# Altium PCB brew_cad.PcbDoc (continued)
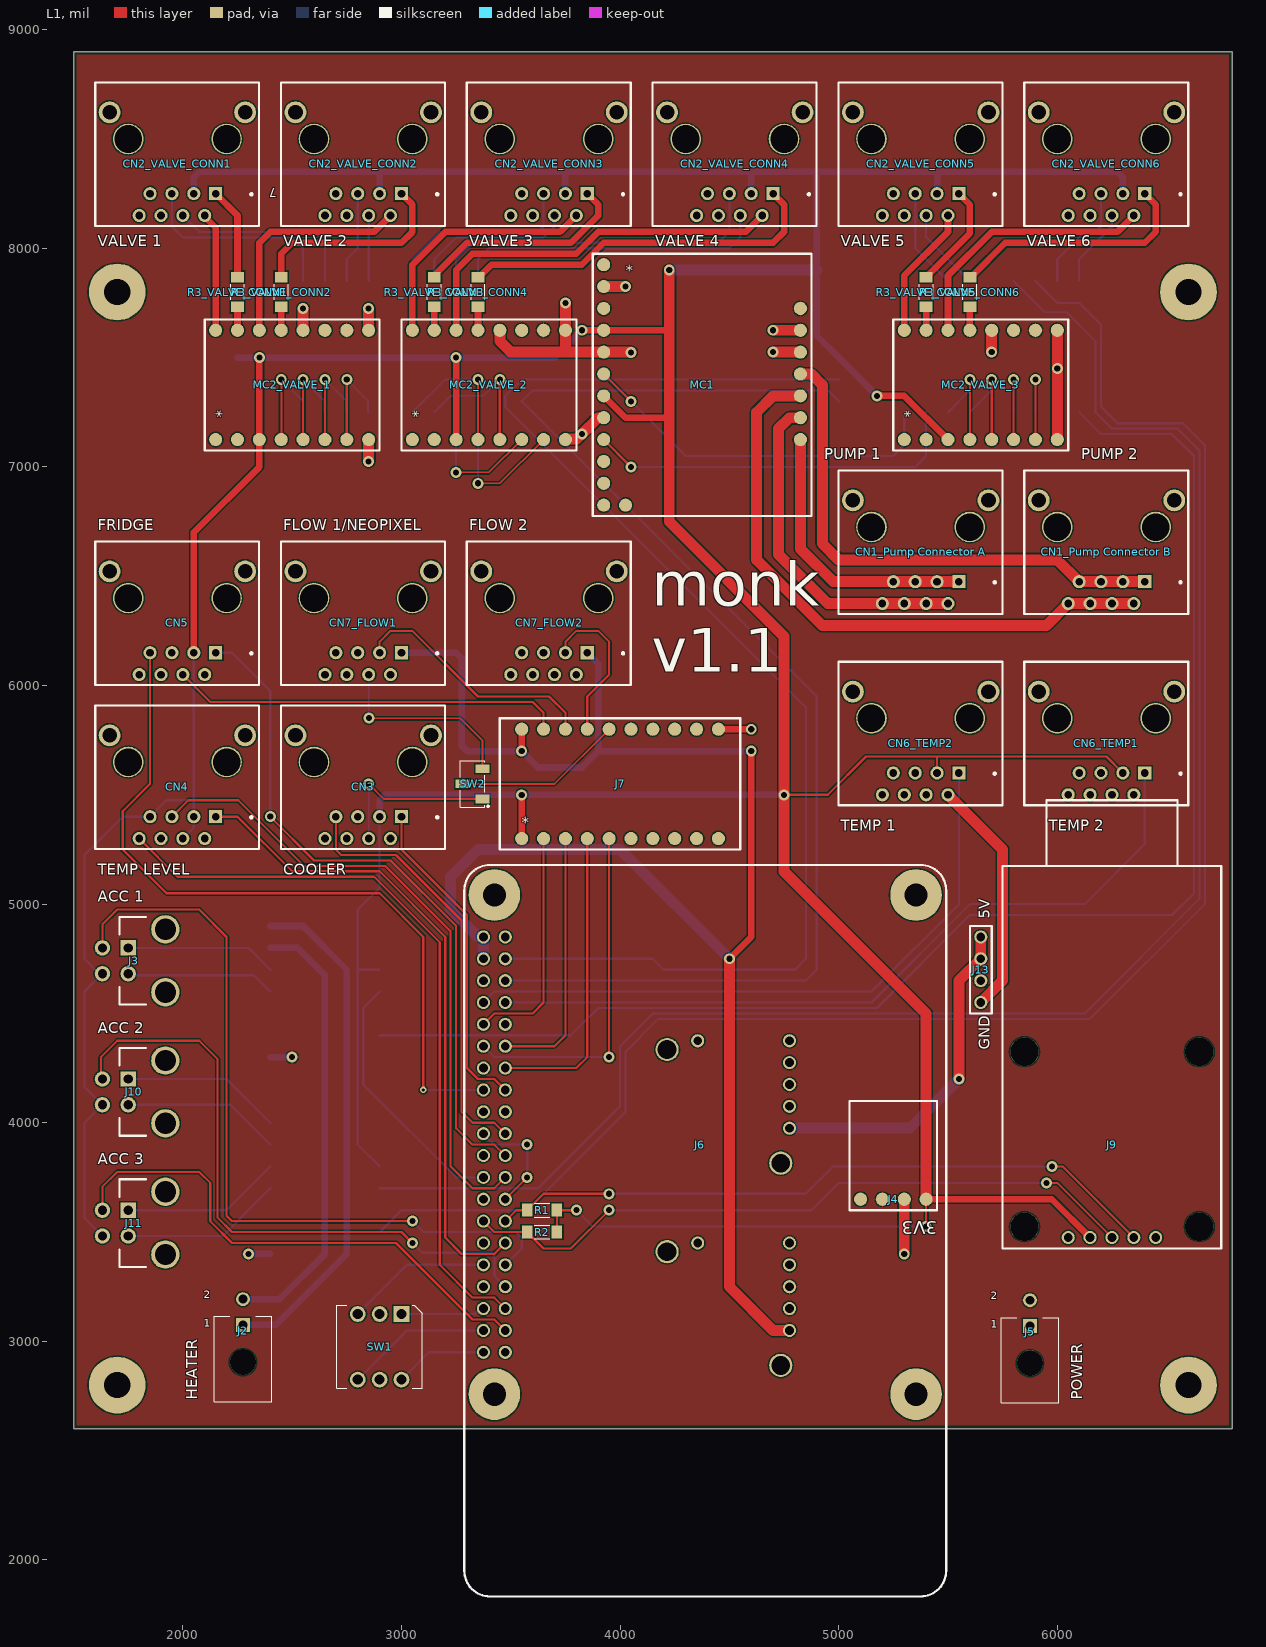
[diagram p0: L1 view]
## Footprints (in the part's own frame and the unit in brackets; to place one, negate y for a bottom-side part, rotate by r counter-clockwise, add the part's x,y. Pads: shape width x height; smd on the part's side, far side on the other; paste and mask are expansions set on the pad)
1x4_PIN [mil]
  round 60 hole 40: 1(0,0) 2(0,-100) 3(0,-200) 4(0,-300)
  silkscreen extent -50,-350 50,50
"A4990 Dual Motor Driver Carrier" [mil]
  round 60 smd: 1(50,750) 2(50,650) 3(50,550) 4(50,450) 5(50,350) 6(50,250) 7(50,150) 8(50,50) 9(550,50) 10(550,150) 11(550,250) 12(550,350) 13(550,450) 14(550,550) 15(550,650) 16(550,750)
  silkscreen extent 0,0 600,800, body extent 0,0 600,800, height 111
"Differential I2C Breakout - PCA9615" [mil]
  round 60 hole 40: 1(50,700) 2(50,600) 3(50,500) 4(50,400) 5(50,300)
  round 130 hole 130 unplated: MH1(100,900) MH1(100,100) MH1(900,100) MH1(900,900)
  silkscreen extent 0,0 2050,1000
MOLEX_430450202 [mm]
  rect 1.6x1.6 hole 1.02: 1(0,0)
  round 1.6 hole 1.02: 2(0,3)
  round 3 hole 3 unplated: ""(0,-4.32)
  silkscreen extent -3.32,-8.92 3.32,0.99, body extent -3.58,-8.92 3.57,3.32, height 8.76
MOLEX_MICROFIT_DOUBLE_ROW_RA_TH_4POS_43045-0422 [mil] "CONN HEADER 4POS 3MM R/A GOLD"
  round 130 hole 97: 0(-143.7,-170.08) 0(143.7,-170.08)
  rect 70x70 hole 42: 1(59.06,0)
  round 70 hole 42: 2(-59.06,0) 3(59.06,118.11) 4(-59.06,118.11)
  silkscreen extent -201,-81 201,39, body extent -200,-356 200,126, height 348
"Pololu 3.3V, 500mA Step-Down Voltage Regulator D24V5F3 - duplicate" [mil]
  round 60 smd: 1(50,450) 2(150,450) 3(250,450) 4(350,450)
  silkscreen extent 0,0 400,500, body extent 0,0 400,500, height 111
"Pololu 5V, 2.5A Step-Down Voltage Regulator D24V22F5" [mil]
  round 60 hole 40: 1(50,50) 2(150,50) 3(250,50) 4(350,50) 5(450,50) 6(50,470)
  round 106 hole 86: ""(90,610) ""(610,90)
  silkscreen extent 0,0 700,700, body extent 0,0 700,700, height 330
R1206 [mm] "Chip Resistor, 2-Leads, Body 3.1x1.6mm, IPC High Density"
  rect 1.25x1.5 smd mask+0.05: 1(-1.725,0) 2(1.725,0)
  silkscreen extent -0.92,-0.8 0.92,0.8, body extent -1.6,-0.8 1.6,0.8, height 0.6
"Raspberry PI 4B" [mil]
  round 60 hole 40: 1(50,950) 2(-50,950) 3(50,850) 4(-50,850) 5(50,750) 6(-50,750) 7(50,650) 8(-50,650) 9(50,550) 10(-50,550) 11(50,450) 12(-50,450) 13(50,350) 14(-50,350) 15(50,250) 16(-50,250) 17(50,150) 18(-50,150) 19(50,50) 20(-50,50) 21(50,-50) 22(-50,-50) 23(50,-150) 24(-50,-150) 25(50,-250) 26(-50,-250) 27(50,-350) 28(-50,-350) 29(50,-450) 30(-50,-450) 31(50,-550) 32(-50,-550) 33(50,-650) 34(-50,-650) 35(50,-750) 36(-50,-750) 37(50,-850) 38(-50,-850) 39(50,-950) 40(-50,-950)
  round 236.22 hole 106.3: ""(0,-1141.73) ""(0,1141.73) ""(1929.13,-1141.73) ""(1929.13,1141.73)
  silkscreen extent -138,-2067 2067,1280, body extent -138,-2224 2161,1280, height 508
"RJ45 TOP ENTRY EDAC A00-108-222-450" [mil] "A00-108-222-450"
  round 100 hole 67: 0(-135,-372) 0(485,-372)
  round 140 hole 126: 0(-50,-250) 0(400,-250)
  rect 60x60 hole 35: 1(0,0)
  round 60 hole 35: 2(50,100) 3(100,0) 4(150,100) 5(200,0) 6(250,100) 7(300,0) 8(350,100)
  silkscreen extent -199,-509 551,148, body extent -143,-510 493,148, height 640
SW_HEX_ROTARY_94HBB16T [mil]
  rect 72x72 hole 47 mask+4: 1(0,0)
  round 72 hole 47 mask+4: 2(-300,200) 4(0,200) 8(-300,0) C1(0,100) C2(-300,100)
  silkscreen extent -340,-95 40,295, body extent -340,-95 42,295, height 228
SWITCH_CAS-120TA [mm]
  rect 1.6x1 smd mask+0.05: 1(-1.15,1.75) 2(1.15,0) 3(-1.15,-1.75)
  silkscreen extent -1.9,-2.7 1.4,2.7, body extent -1.4,-2.7 1.4,2.7, height 2.5
"SX1509 Breakout" [mil]
  round 60 smd: 1(200,1050) 2(200,950) 3(200,850) 4(200,750) 5(200,550) 6(200,450) 7(200,350) 8(200,250) 9(350,50) 10(450,50) 11(550,50) 12(650,50) 13(750,50) 14(800,250) 15(800,350) 16(800,450) 17(800,550) 18(800,750) 19(800,850) 20(800,950) 21(800,1050) 22(750,1350) 23(650,1350) 24(550,1350) 25(450,1350) 26(350,1350) 27(250,1350)
  silkscreen extent 0,0 1000,1400
"TB67H420FTG Dual/Single Motor Driver Carrier" [mil]
  round 60 smd: 1(50,1150) 2(50,1050) 3(50,950) 4(50,850) 5(50,750) 6(50,650) 7(50,550) 8(50,450) 9(50,350) 10(50,250) 11(50,150) 12(50,50) 13(150,50) 14(950,350) 15(950,450) 16(950,550) 17(950,650) 18(950,750) 19(950,850) 20(950,950)
  silkscreen extent 0,0 1000,1200, body extent 0,0 1000,1200, height 302
TXB0108 [mil]
  round 60 smd: 1(50,1000) 2(50,900) 3(50,800) 4(50,700) 5(50,600) 6(50,500) 7(50,400) 8(50,300) 9(50,200) 10(50,100) 11(550,100) 12(550,200) 13(550,300) 14(550,400) 15(550,500) 16(550,600) 17(550,700) 18(550,800) 19(550,900) 20(550,1000)
  silkscreen extent 0,0 600,1100

## Part data
"CN1_Pump Connector A" "CN1_Pump Connector B" CN2_VALVE_CONN1 CN2_VALVE_CONN2 CN2_VALVE_CONN3 CN2_VALVE_CONN4 CN2_VALVE_CONN5 CN2_VALVE_CONN6 CN3 CN4 CN5 CN6_TEMP1 CN6_TEMP2 CN7_FLOW1 CN7_FLOW2: library part 492, "CONN, RJ-45, 1-PORT, 8-POS, VERT, 0.76um GOLD, TH", COMMON=210-00203-00, Gecko=210-00203-00, ID=492, LOON=210-00203-00, MFG="EDAC Inc", MFG P/N=A00-108-222-450, RoHS Compliant=Yes, Status="In Development", XPN=XS-10003929
J2 J5: library part 958, "CONN, HDR, R/A, 2x1, 3MM P, 7.37MM H, GOLD, TH", Current Rating=8A, Supplier Part Number 1=WM1819-ND, Voltage, Rated=600V, ComponentLink1Description=Datasheet, ComponentLink1URL=https://www.molex.com/pdm_docs/sd/430450202_sd.pdf, Connector Type=Header, Features="Board Lock", Gender=Male, HelpURL=https://www.digikey.in/product-detail/en/molex-llc/0430450202/WM1819-ND/252532, ID=958, MFG="Molex, LLC", MFG P/N=430450202, Mounting Type="Through Hole", Number of Positions=2, Number of Rows=1, Orientation="Right Angle", Pitch=3.00mm, RoHS Compliant=Yes, Status=Released, Supplier 1=Digi-Key
J3 J10 J11: library part 164, "CONN MOLEX MICROFIT 4POS RA GOLD", COMMON=210-00301-00, ComponentLink1Description=Datasheet, ComponentLink1URL=http://www.molex.com/pdm_docs/sd/430450221_sd.pdf, Features="Board Lock, Locking Ramp, Shrouded", Gecko=210-00301-00, Gender=Male, HelpURL=http://www.molex.com/pdm_docs/sd/430450221_sd.pdf, ID=164, LOON=210-00301-00, MFG="Molex Inc", MFG P/N=43045-0422, Mounting Type="Through Hole", Number of Positions=4, Number of Rows=2, Orientation="Right Angle", Pitch="3.00mm (0.118\")", RoHS Compliant=Yes, Row Spacing="3.00mm (0.118\")", Status=In-Development, Supplier 1=Digi-Key, XPN=210-00301-00
J4: library part "Pololu 3.3V, 500mA Step-Down Voltage Regulator D24V5F3"
J8 J12: library part "Pololu 5V, 2.5A Step-Down Voltage Regulator D24V22F5"
MC1: library part "TB67H420FTG Dual/Single Motor Driver Carrier"
MC2_VALVE_1 MC2_VALVE_2 MC2_VALVE_3 MC3 MC4: library part "A4990 Dual Motor Driver Carrier"
R1 R2 R3_VALVE_CONN1 R3_VALVE_CONN2 R3_VALVE_CONN3 R3_VALVE_CONN4 R3_VALVE_CONN5 R3_VALVE_CONN6: library part 3502, "Resistor, 1.80K Ohms, 1206, 0.25W, ±1%", Package=1206, Power=1/4W, Supplier Part Number 1=311-1.80KFRCT-ND, Tolerance=1%, COMMON=470-06908-00, Gecko=470-06908-00, Height=0.65mm, ID=3502, LOON=470-06908-00, MFG=YAGEO, MFG P/N=RC1206FR-071K8L, Status=Released, Supplier 1=Digi-Key, XPN=XS-10017648
SW1: library part 89, "SWITCH ROTARY DIP HEX 100MA 50V", COMMON=510-00168-00, ComponentLink1Description=Datasheet, ComponentLink1URL=http://www.digikey.com/products/en?keywords=94HBB16T, Gecko=510-00168-00, ID=89, LOON=510-00168-00, MFG=GRAYHILL, MFG P/N=94HBB16T, Status="In Development", XPN=XS-10020997
SW2: library part 38, "SLIDE SWITCH SPDT J HOOK 6V", Supplier Part Number 1=CAS120JCT-ND, Category=Switches, COMMON=510-00158-00, ComponentLink1Description=Datasheet, ComponentLink1URL=http://copal-electronics.info/en/0008e/02462.pdf, Gecko=510-00158-00, HelpURL=http://copal-electronics.info/en/0008e/02462.pdf, ID=38, LOON=510-00158-00, MFG="Copal Electronics Inc", MFG P/N=CAS-120TA, Mounting Type="Surface Mount", RoHS Compliant=Yes, Status="In Development", Supplier 1=Digi-Key, XPN=XS-10020994

## Free pads (board coordinates)
  round 260 hole 120: ""(1700,2800) ""(1700,7800) ""(6600,2800) ""(6600,7800)

## Via types
v1: diameter 50, hole 28, L1 to L2, 54 vias
v2: diameter 30, hole 15, L1 to L2, 1 vias

## Nets (pads, with @x,y where several pads share a name; then routed paths per layer and width w, separated by ;. In a path a pad name is that pad's centre, name@x,y a point inside that pad or via, vN(x,y) a via of type N, cw(c..) or ccw(c..) an arc to the next point about the centre after c; other vN are vias at no path point)
3V3: CN2_VALVE_CONN1.3 CN2_VALVE_CONN2.3 CN2_VALVE_CONN3.3 CN2_VALVE_CONN4.3 CN2_VALVE_CONN5.3 CN2_VALVE_CONN6.3 CN3.3 CN4.3 CN4.4 CN4.7 CN5.3 CN6_TEMP1.3 CN6_TEMP2.3 J1_GPIO_EXP_A.11 J1_GPIO_EXP_A.24 J1_GPIO_EXP_B.11 J1_GPIO_EXP_B.24 J3.4 J4.1 J7.1 J9.2 J10.4 J11.4 MC1.4 MC1.7 MC2_VALVE_1.3 MC2_VALVE_2.3 MC2_VALVE_3.3 MC3.3 MC4.3 R1.1 R2.1 | length 27781.6
  L1 w10: R2.1 R1.1 v1(3800,3600) ; v1(4750,5500) 4950,5500 5125,5675 5450,5675 ; v1(5400,3525) J4.1 ; CN6_TEMP2.3 5450,5675 ; CN6_TEMP1.3 6225,5675 5450,5675
  L1 w30: CN5.3 2050,6700 2350,7000 MC2_VALVE_1.3@2350,7100 ; MC2_VALVE_1.3 v1(2350,7500) ; MC2_VALVE_2.3 v1(3250,7500) ; J7.1 v1(3550,5500) ; v1(3825,7625) MC1.4 4225,7625 ; MC1.7 4025,7225 4225,7225 ; v1(5175,7325) 5300,7325 MC2_VALVE_3.3 ; J4.1 5975,3650 J9.2 J9.2@6151.56,3473.44
  L1 w50: v1(4225,7900) 4225,7625 4225,7225 4225,6750 4750,6225 v1(4750,5500) 4750,5150 5400,4500 J4.1
  L2 w10: J11.4 1550,3563.78 1550,4000 J10.4 1550,4163.78 1550,4600 J3.4 1618.11,4681.89 1550,4750 1550,5225 1725,5400 CN4.7 1925,5475 2050,5475 ; CN4.4 2050,5350 CN4.3 2050,5475 ; CN5.3 2050,5475 ; 2802.93,4702.93 2800,4705.86 ; 2805.86,4700 MC3.3 ; MC4.3 2800,3900 2800,4705.86 ; CN3.3 2900,5075 2800,4975 2800,4705.86 ; v1(3800,3600) 3875,3525 v1(5400,3525)
  L2 w30: CN2_VALVE_CONN1.3 2050,8325 2075,8350 2900,8350 ; J1_GPIO_EXP_A.24 v1(2350,7500) v1(3250,7500) J1_GPIO_EXP_A.11 3700,7500 v1(3825,7625) ; CN3.3 2900,5475 2925,5500 v1(3550,5500) v1(4750,5500) ; CN2_VALVE_CONN2.3 2900,8350 ; CN2_VALVE_CONN3.3 3750,8350 ; CN2_VALVE_CONN4.3 4600,8350 ; v1(5175,7325) J1_GPIO_EXP_B.24 4900,7600 4900,7900 4900,8350 ; CN2_VALVE_CONN5.3 5450,8350 ; CN2_VALVE_CONN6.3 6300,8325 6275,8350 5450,8350 ; 2900,8350 3750,8350 ; 3750,8350 4600,8350 ; 4600,8350 4900,8350 ; 4900,8350 5450,8350
  L2 w50: v1(4225,7900) 4900,7900
5V: CN7_FLOW1.1 CN7_FLOW2.1 J6.2 J6.4 J7.20 J8.5 | length 7488.5
  L1 w30: v1(3550,5700) J7.20 ; v1(4500,4750) 4600,4850 v1(4600,5700)
  L1 w50: v1(4500,4750) 4500,3250 4700,3050 J8.5
  L2 w30: CN7_FLOW1.1 3250,6150 3275,6125 3275,5725 3300,5700 v1(3550,5700) 3625,5625 3825,5625 3900,5700 ; CN7_FLOW2.1 3900,6100 3900,5700 ; v1(4600,5700) 3900,5700
  L2 w50: J6.4 J6.2 3373.09,4851.91 3348.09,4851.91 3225,4975 3225,5125 3350,5250 4000,5250 v1(4500,4750)
24V: J4.3 J5.2 J8.3 J12.3 MC1.20 MC2_VALVE_1.10 MC2_VALVE_2.10 MC2_VALVE_3.10 MC3.10 MC4.10 | length 200
  L2 w30: v1(2300,3400) MC4.10 ; MC3.10 v1(2500,4300)
COOLER_NEO: CN3.4 SW2.1 | length 798.8
  L1 w8: v1(2850,5550) 2918.89,5481.11 SW2.1
  L2 w8: CN3.4 v1(2850,5550)
FLOW_NEO1: CN7_FLOW1.4 SW2.3 | length 892.8
  L1 w8: v1@2850,5850 3268.37,5850 3371.69,5746.69 3370.28,5745.28 SW2.3
  L2 w8: v1@2850,5850 CN7_FLOW1.4
  other v1: 2851.27,5850.55
FLOW_NEO2: CN7_FLOW2.4
FLOW_TACH1: CN7_FLOW1.3 J7.18 | length 1151
  L1 w10: CN7_FLOW1.3 2900,6200 2950,6250 3050,6250 3350,5950 3675,5950 3750,5875 J7.18
FLOW_TACH2: CN7_FLOW2.3 J7.17 | length 732.8
  L1 w10: CN7_FLOW2.3 3750,6200 3800,6250 3900,6250 3950,6200 3950,6050 3850,5950 J7.17
FRIDGE_RELAY: CN5.4 J7.19 | length 1797.5
  L1 w10: CN5.4 2125.65,5924.35 3600.65,5924.35 3650,5875 J7.19
GND: "CN1_Pump Connector A.0" "CN1_Pump Connector B.0" CN2_VALVE_CONN1.0 CN2_VALVE_CONN2.0 CN2_VALVE_CONN3.0 CN2_VALVE_CONN4.0 CN2_VALVE_CONN5.0 CN2_VALVE_CONN6.0 CN3.0 CN3.2 CN3.5 CN3.6 CN3.8 CN4.0 CN4.2 CN4.6 CN5.0 CN5.2 CN5.5 CN5.6 CN5.8 CN6_TEMP1.0 CN6_TEMP1.2 CN6_TEMP1.6 CN6_TEMP2.0 CN6_TEMP2.2 CN6_TEMP2.6 CN7_FLOW1.0 CN7_FLOW1.2 CN7_FLOW1.5 CN7_FLOW1.6 CN7_FLOW2.0 CN7_FLOW2.2 CN7_FLOW2.5 CN7_FLOW2.6 J1_GPIO_EXP_A.10 J1_GPIO_EXP_A.25 J1_GPIO_EXP_B.10 J1_GPIO_EXP_B.25 J4.2 J5.1 J6.6 J6.9 J6.14 J6.20 J6.25 J6.30 J6.34 J6.39 J7.11 J8.4 J8.6 J9.1 J12.4 J12.6 J13.1 J13.2 MC1.2 MC1.5 MC1.8 MC1.18 MC1.19 MC2_VALVE_1.8 MC2_VALVE_1.9 MC2_VALVE_1.12 MC2_VALVE_2.8 MC2_VALVE_2.9 MC2_VALVE_2.12 MC2_VALVE_3.8 MC2_VALVE_3.9 MC2_VALVE_3.12 MC3.5 MC3.7 MC3.8 MC3.9 MC3.12 MC4.5 MC4.7 MC4.8 MC4.9 MC4.12 SW1.C1 SW1.C2 | length 4370.4
  L1 w10: J6.25 v1(3575,3750)
  L1 w30: J7.11 v1(4600,5800)
  L1 w50: MC2_VALVE_1.12 v1(2550,7725) ; v1(2850,7025) MC2_VALVE_1.8 ; MC2_VALVE_1.9 v1(2850,7725) ; MC2_VALVE_2.12 3450,7575 3500,7525 3750,7525 ; MC2_VALVE_2.8 3751.91,7126.91 3801.91,7126.91 v1(3825,7150) 3900,7225 MC1.8 ; v1(3750,7750) MC2_VALVE_2.9 3750,7525 ; MC1.2 v1(4025,7825) ; v1(4050.55,7524.1) 4050.55,7524.45 4050,7525 MC1.5 3750,7525 ; v1(4700,7525) MC1.18 ; v1(4700,7625) MC1.19 ; v1(5300,3400) J4.2 ; CN6_TEMP2.2 5750,5250 5750,4650 J13.1 ; v1(5700,7525) MC2_VALVE_3.12 ; MC2_VALVE_3.8 v1(6000,7450) MC2_VALVE_3.9
  L2 w10: J6.20 3425,3900 v1(3575,3900) v1(3575,3750)
GPIO0: CN6_TEMP1.1 J6.7 | length 3550.3
  L2 w10: J6.7 5150,4550 5600,5000 6125,5000 6400,5275 CN6_TEMP1.1
GPIO0_GPIO_EXP_A: CN2_VALVE_CONN1.5 J1_GPIO_EXP_A.1 | length 941.4
  L2 w10: CN2_VALVE_CONN1.5 1950,8100 2000,8050 2500,8050 2550,8000 J1_GPIO_EXP_A.1
GPIO0_GPIO_EXP_B: J1_GPIO_EXP_B.1
GPIO1: J6.11 J7.3 | length 1195.7
  L1 w10: J6.11 3700,4350 3750,4400 J7.3
GPIO1_GPIO_EXP_A: CN2_VALVE_CONN1.4 J1_GPIO_EXP_A.2 | length 876.8
  L2 w10: CN2_VALVE_CONN1.4 2075,8075 2600,8075 2650,8025 J1_GPIO_EXP_A.2
GPIO1_GPIO_EXP_B: J1_GPIO_EXP_B.2
GPIO2: J6.13 J7.4 | length 1395.7
  L1 w10: J6.13 3800,4250 3850,4300 J7.4
GPIO2_GPIO_EXP_A: CN2_VALVE_CONN2.5 J1_GPIO_EXP_A.3 | length 420.7
  L2 w10: J1_GPIO_EXP_A.3 2750,7950 2800,8000 CN2_VALVE_CONN2.5
GPIO2_GPIO_EXP_B: CN2_VALVE_CONN5.5 J1_GPIO_EXP_B.3 | length 462.1
  L2 w10: CN2_VALVE_CONN5.5 5350,8000 J1_GPIO_EXP_B.3
GPIO3: CN3.1 J6.15 | length 1490.7
  L1 w10: CN3.1 3000,5250 3300,4950 3300,4250 3350,4200 3425,4200 J6.15
GPIO3_GPIO_EXP_A: CN2_VALVE_CONN2.4 J1_GPIO_EXP_A.4 | length 300
  L2 w10: J1_GPIO_EXP_A.4 CN2_VALVE_CONN2.4
GPIO3_GPIO_EXP_B: CN2_VALVE_CONN5.4 J1_GPIO_EXP_B.4 | length 382.8
  L2 w10: CN2_VALVE_CONN5.4 5400,8050 J1_GPIO_EXP_B.4
GPIO4: CN3.7 J6.19 | length 1976
  L1 w10: CN3.7 2700,5250 2725,5225 2975,5225 3275,4925 3275,4050 3325,4000 3425,4000 J6.19
GPIO4_GPIO_EXP_A: CN2_VALVE_CONN3.5 J1_GPIO_EXP_A.5 | length 912.1
  L2 w10: J1_GPIO_EXP_A.5 3050,7950 3175,8075 3625,8075 3650,8100 CN2_VALVE_CONN3.5
GPIO4_GPIO_EXP_B: J1_GPIO_EXP_B.5 MC4.4 | length 7871.3
  L2 w8: J1_GPIO_EXP_B.5 5942.47,7707.53 6042.47,7707.53 6175,7575
  L2 w10: MC4.4 3625,3700 4000,4075 4000,4350 4150,4500 6125,4500 6650,5025 6650,7075 6550,7175 6250,7175 6175,7250 6175,7575
GPIO5: CN5.1 J6.21 | length 3156.4
  L1 w10: v1(2400,5400) 2600,5200 2950,5200 3250,4900 3250,3975 3325,3900 3425,3900 J6.21
  L2 w10: CN5.1 2225,6150 2400,5975 v1(2400,5400)
GPIO5_GPIO_EXP_A: CN2_VALVE_CONN3.4 J1_GPIO_EXP_A.6 | length 762.1
  L2 w10: J1_GPIO_EXP_A.6 3150,7950 3250,8050 3650,8050 3700,8100 CN2_VALVE_CONN3.4
GPIO5_GPIO_EXP_B: J1_GPIO_EXP_B.6 MC4.6 | length 7962.7
  L2 w10: MC4.6 3000,3600 3575,3600 4025,4050 4025,4325 4175,4475 6150,4475 6675,5000 6675,7100 6575,7200 6275,7200 6200,7275 6200,7650 6100,7750 6000,7750 J1_GPIO_EXP_B.6
GPIO6: CN4.5 J6.23 | length 2941.7
  L1 w10: CN4.5 2025,5475 2253.28,5475 2553.28,5175 2925,5175 3225,4875 3225,3800 3325,3700 3425,3700 J6.23
GPIO6_GPIO_EXP_A: CN2_VALVE_CONN4.5 J1_GPIO_EXP_A.7 | length 1576.8
  L2 w10: J1_GPIO_EXP_A.7 3250,7950 3325,8025 4450,8025 4500,8075 CN2_VALVE_CONN4.5
GPIO6_GPIO_EXP_B: CN2_VALVE_CONN6.5 J1_GPIO_EXP_B.7 | length 512.1
  L2 w10: J1_GPIO_EXP_B.7 6000,7950 6125,8075 6175,8075 6200,8100 CN2_VALVE_CONN6.5
GPIO7: CN4.1 J6.29 | length 2979.6
  L1 w10: CN4.1 2250,5400 2500,5150 2900,5150 3200,4850 3200,3475 3275,3400 3425,3400 J6.29
GPIO7_GPIO_EXP_A: CN2_VALVE_CONN4.4 J1_GPIO_EXP_A.8 | length 1441.4
  L2 w10: J1_GPIO_EXP_A.8 3350,7950 3400,8000 4500,8000 4550,8050 CN2_VALVE_CONN4.4
GPIO7_GPIO_EXP_B: CN2_VALVE_CONN6.4 J1_GPIO_EXP_B.8 | length 362.1
  L2 w10: J1_GPIO_EXP_B.8 6100,7950 6250,8100 CN2_VALVE_CONN6.4
GPIO8: J3.3 J6.31 | length 3577.5
  L1 w10: J3.3 1631.89,4906.89 1700,4975 2075,4975 2200,4850 2200,3575 2225,3550 v1(3050,3550)
  L2 w10: v1(3050,3550) 3100,3500 3525,3500 3550,3475 3550,3425 J6.31
GPIO8_GPIO_EXP_A: J1_GPIO_EXP_A.14 MC2_VALVE_2.7 | length 707.8
  L1 w8: v1(3350,6925) 3450,6925 MC2_VALVE_2.7
  L2 w10: v1(3350,6925) J1_GPIO_EXP_A.14
GPIO8_GPIO_EXP_B: J1_GPIO_EXP_B.14 MC3.6 | length 6602.1
  L2 w8: J1_GPIO_EXP_B.14 6200,7150 6250,7150
  L2 w10: MC3.6 3775,4400 3900,4525 5175,4525 5600,4950 6525,4950 6625,5050 6625,7050 6525,7150 6250,7150
GPIO9: J6.33 J10.3 | length 2929.8
  L1 w10: J10.3 1625,4206.89 1625,4300 1700,4375 2075,4375 2159,4291 2159,3566 2225,3500 3000,3500 v1(3050,3450)
  L2 w10: v1(3050,3450) 3095,3405 3414.14,3405 3425,3394.14 3425,3300 J6.33
GPIO9_GPIO_EXP_A: J1_GPIO_EXP_A.15 MC2_VALVE_2.6 | length 637.1
  L1 w8: v1(3250,6975) 3400,6975 MC2_VALVE_2.6
  L2 w10: v1(3250,6975) J1_GPIO_EXP_A.15
GPIO9_GPIO_EXP_B: J1_GPIO_EXP_B.15
GPIO10: CN4.8 J6.35 | length 3429.6
  L1 w10: CN4.8 1975,5125 2875,5125 3175,4825 3175,3350 3325,3200 3425,3200 J6.35
GPIO10_GPIO_EXP_A: J1_GPIO_EXP_A.16 MC2_VALVE_2.5 | length 637.1
  L1 w10: MC2_VALVE_2.5 v1(3450,7400)
  L2 w8: J1_GPIO_EXP_A.16 3225,7325 3375,7325 v1(3450,7400)
GPIO10_GPIO_EXP_B: J1_GPIO_EXP_B.16 MC2_VALVE_3.7 | length 425
  L1 w10: MC2_VALVE_3.7 v1(5900,7400)
  L2 w8: J1_GPIO_EXP_B.16 v1(5900,7400)
GPIO11: J6.37 J11.3 | length 2381
  L1 w10: J11.3 1631.89,3706.89 1700,3775 2075,3775 2125,3725 2125,3550 2225,3450 2975,3450 3325,3100 3425,3100 J6.37
GPIO11_GPIO_EXP_A: J1_GPIO_EXP_A.17 MC2_VALVE_2.4 | length 637.1
  L1 w10: MC2_VALVE_2.4 v1(3350,7400)
  L2 w8: J1_GPIO_EXP_A.17 3200,7400 v1(3350,7400)
GPIO11_GPIO_EXP_B: J1_GPIO_EXP_B.17 MC2_VALVE_3.6 | length 425
  L1 w10: MC2_VALVE_3.6 v1(5800,7400)
  L2 w10: J1_GPIO_EXP_B.17 v1(5800,7400)
GPIO12: CN6_TEMP2.1 J6.8 | length 2961.4
  L2 w10: J6.8 3425,4600 5150,4600 5550,5000 CN6_TEMP2.1
GPIO12_GPIO_EXP_A: J1_GPIO_EXP_A.18 MC2_VALVE_1.7 | length 466.4
  L1 w10: MC2_VALVE_1.7 v1(2750,7400)
  L2 w8: v1(2750,7400) 2846.63,7303.37 2846.63,7253.37 J1_GPIO_EXP_A.18
GPIO12_GPIO_EXP_B: J1_GPIO_EXP_B.18 MC2_VALVE_3.5 | length 466.4
  L1 w10: MC2_VALVE_3.5 v1(5700,7400)
  L2 w10: J1_GPIO_EXP_B.18 5700,7350 v1(5700,7400)
GPIO13: J6.10 J7.2 | length 1066.4
  L1 w10: J6.10 3425,4500 3600,4500 3650,4550 J7.2
GPIO13_GPIO_EXP_A: J1_GPIO_EXP_A.19 MC2_VALVE_1.6 | length 466.4
  L1 w10: MC2_VALVE_1.6 v1(2650,7400)
  L2 w8: v1(2650,7400) 2746.63,7303.37 2746.63,7253.37 J1_GPIO_EXP_A.19
GPIO13_GPIO_EXP_B: J1_GPIO_EXP_B.19 MC2_VALVE_3.4 | length 466.4
  L1 w10: MC2_VALVE_3.4 v1(5600,7400)
  L2 w10: J1_GPIO_EXP_B.19 5600,7350 v1(5600,7400)
GPIO14: J6.24 MC3.4 | length 1182.1
  L2 w10: MC3.4 2825,4525 2825,4175 3250,3750 J6.24
GPIO14_GPIO_EXP_A: J1_GPIO_EXP_A.20 MC2_VALVE_1.5 | length 466.4
  L1 w10: MC2_VALVE_1.5 v1(2550,7400)
  L2 w8: v1(2550,7400) 2646.63,7303.37 2646.63,7253.37 J1_GPIO_EXP_A.20
GPIO14_GPIO_EXP_B: J1_GPIO_EXP_B.20 MC1.9 | length 1747.5
  L1 w10: MC1.9 v1(4050,7000)
  L2 w10: v1(4050,7000) 5350,7000 5400,7050 J1_GPIO_EXP_B.20
GPIO15: CN5.7 J6.16 | length 3467.5
  L1 w10: CN5.7 1850,5550 1725,5425 1725,5250 1925,5050 2900,5050 3100,4850 v2(3100,4150)
  L2 w10: v2(3100,4150) J6.16
GPIO15_GPIO_EXP_A: J1_GPIO_EXP_A.21 MC2_VALVE_1.4 | length 469.1
  L1 w10: MC2_VALVE_1.4 2450.82,7125.82 2450.82,7399.18 v1(2450,7400)
  L2 w8: v1@2451.65,7400.7 2548.98,7303.37 2548.98,7251.02 J1_GPIO_EXP_A.21
  L2 w10: v1(2450,7400) 2450.95,7400 v1@2451.65,7400.7
GPIO15_GPIO_EXP_B: J1_GPIO_EXP_B.21 MC1.6 | length 1701
  L1 w10: MC1.6 v1(4050,7300)
  L2 w10: v1(4050,7300) 4300,7050 5250,7050 5300,7100 J1_GPIO_EXP_B.21
GPIO16: J6.18
GPIO17: J6.22
GPIO18: J6.26
GPIO19: J6.32 SW1.4 | length 668.2
  L2 w10: SW1.4 3025,3350 J6.32
GPIO20: J6.36 SW1.1 | length 385.4
  L2 w10: SW1.1 3336.47,3125 3361.47,3150 J6.36
GPIO21: J6.38 SW1.2 | length 668.2
  L2 w10: SW1.2 3025,3050 J6.38
GPIO22: J6.40 SW1.8 | length 426.8
  L2 w10: SW1.8 3125,2950 J6.40
I2C0_SCL: J6.27 J9.4 R1.2 | length 3126.8
  L1 w10: J6.27 3525,3600 R1.2 3575,3604.92 3594.61,3624.53 3599.53,3624.53 3650,3675 v1(3950,3675) ; v1(5975,3800) 6025,3800 J9.4@6357.62,3467.38
  L2 w10: v1(3950,3675) 4850,3675 4975,3800 v1(5975,3800)
I2C0_SDA: J6.28 J9.3 R2.2 | length 3152.5
  L1 w10: J6.28 3425,3500 R2.2 3575,3495.08 3594.61,3475.47 3599.53,3475.47 3650,3425 3775,3425 v1(3950,3600) ; v1(5950,3725) 6000,3725 J9.3@6246.47,3478.53
  L2 w10: v1(3950,3600) 4875,3600 5000,3725 v1(5950,3725)
NEOPIXEL: J7.16 SW2.2 | length 773.8
  L1 w8: SW2.2 3700.01,5550.01 J7.16
NEOPIXEL_PI: J6.12 J7.5 | length 1595.7
  L1 w10: v1(3950,4300) J7.5
  L2 w10: J6.12 3425,4300 v1(3950,4300)
"NetCN1_Pump Connector A_1": "CN1_Pump Connector A.1" "CN1_Pump Connector A.3" "CN1_Pump Connector A.5" "CN1_Pump Connector A.7" MC1.14 | length 1287.1
  L1 w50: MC1.14 4825,6625 4975,6475 5250,6475 5350,6475 5450,6475 5550,6475
"NetCN1_Pump Connector A_2": "CN1_Pump Connector A.2" "CN1_Pump Connector A.4" "CN1_Pump Connector A.6" "CN1_Pump Connector A.8" MC1.15 | length 1563.9
  L1 w50: MC1.15 4775,7225 4725,7175 4725,6600 4950,6375 5200,6375 5300,6375 5400,6375 5500,6375
"NetCN1_Pump Connector B_1": "CN1_Pump Connector B.1" "CN1_Pump Connector B.3" "CN1_Pump Connector B.5" "CN1_Pump Connector B.7" MC1.17 | length 2393.2
  L1 w50: MC1.17 4875,7425 4925,7375 4925,6650 5000,6575 6000,6575 6100,6475 6200,6475 6300,6475 6400,6475
"NetCN1_Pump Connector B_2": "CN1_Pump Connector B.2" "CN1_Pump Connector B.4" "CN1_Pump Connector B.6" "CN1_Pump Connector B.8" MC1.16 | length 2796.8
  L1 w50: MC1.16 4700,7325 4625,7250 4625,6575 4925,6275 5950,6275 6050,6375 6150,6375 6250,6375 6350,6375
NetCN2_VALVE_CONN1_1: CN2_VALVE_CONN1.1 R3_VALVE_CONN1.2 | length 423.5
  L1 w30: CN2_VALVE_CONN1.1 2250,8150 R3_VALVE_CONN1.2
NetCN2_VALVE_CONN1_2: CN2_VALVE_CONN1.2 MC2_VALVE_1.16 | length 545.7
  L1 w30: CN2_VALVE_CONN1.2 2100,8143.93 2150,8093.93 MC2_VALVE_1.16
NetCN2_VALVE_CONN2_1: CN2_VALVE_CONN2.1 R3_VALVE_CONN2.2 | length 944.2
  L1 w30: R3_VALVE_CONN2.2 2450,7975 2500,8025 3000,8025 3050,8075 3050,8200 CN2_VALVE_CONN2.1
NetCN2_VALVE_CONN2_2: CN2_VALVE_CONN2.2 MC2_VALVE_1.14 | length 1051.8
  L1 w30: MC2_VALVE_1.14 2350,8025 2400,8075 2875,8075 CN2_VALVE_CONN2.2
NetCN2_VALVE_CONN3_1: CN2_VALVE_CONN3.1 R3_VALVE_CONN3.2 | length 999.6
  L1 w30: R3_VALVE_CONN3.2@3150,7860 3150,7875 3300,8025 3775,8025 3900,8150 3900,8200 CN2_VALVE_CONN3.1
NetCN2_VALVE_CONN3_2: CN2_VALVE_CONN3.2 MC2_VALVE_2.16 | length 1143.2
  L1 w30: MC2_VALVE_2.16 3050,7925 3200,8075 3725,8075 CN2_VALVE_CONN3.2
NetCN2_VALVE_CONN4_1: CN2_VALVE_CONN4.1 R3_VALVE_CONN4.2 | length 1681.5
  L1 w30: R3_VALVE_CONN4.2 3354.92,7867.91 3412.01,7925 3825,7925 3925,8025 4700,8025 4750,8075 4750,8200 CN2_VALVE_CONN4.1
NetCN2_VALVE_CONN4_2: CN2_VALVE_CONN4.2 MC2_VALVE_2.14 | length 1778.6
  L1 w30: MC2_VALVE_2.14 3250,7900 3325,7975 3800,7975 3900,8075 4575,8075 CN2_VALVE_CONN4.2
NetCN2_VALVE_CONN5_1: CN2_VALVE_CONN5.1 R3_VALVE_CONN5.2 | length 488.5
  L1 w30: R3_VALVE_CONN5.2 5404.92,7867.91 5414.53,7877.52 5414.53,7882.44 5600,8067.91 5600,8200 CN2_VALVE_CONN5.1
NetCN2_VALVE_CONN5_2: CN2_VALVE_CONN5.2 MC2_VALVE_3.16 | length 607.8
  L1 w30: MC2_VALVE_3.16 5300,7875 5500,8075 CN2_VALVE_CONN5.2
NetCN2_VALVE_CONN6_1: CN2_VALVE_CONN6.1 R3_VALVE_CONN6.2 | length 1131.5
  L1 w30: R3_VALVE_CONN6.2 5604.92,7867.91 5762.01,8025 6400,8025 6450,8075 6450,8200 CN2_VALVE_CONN6.1
NetCN2_VALVE_CONN6_2: CN2_VALVE_CONN6.2 MC2_VALVE_3.14 | length 1213.9
  L1 w30: MC2_VALVE_3.14 5500,7875 5700,8075 6275,8075 CN2_VALVE_CONN6.2
NetJ2_1: J2.1 MC3.16 | length 2342.5
  L2 w30: J2.1 2425,3075 2750,3400 2750,4700 2550,4900 MC3.16
NetJ2_2: J2.2 MC3.15 | length 2037.5
  L2 w30: J2.2 2443.11,3193.11 2650,3400 2650,4675 2525,4800 MC3.15
NetJ3_1: J3.1 MC3.14 | length 691.4
  L2 w10: J3.1 2300,4800 MC3.14
NetJ3_2: J3.2 MC3.13 | length 683.9
  L2 w10: J3.2 1756.89,4675 2325,4675 MC3.13
NetJ10_1: J10.1 MC4.16 | length 732.8
  L2 w10: J10.1 2200,4200 MC4.16
NetJ10_2: J10.2 MC4.15 | length 725.3
  L2 w10: J10.2 2218.11,4081.89 MC4.15
NetJ11_1: J11.1 MC4.14 | length 732.8
  L2 w10: J11.1 2200,3600 MC4.14
NetJ11_2: J11.2 MC4.13 | length 740.3
  L2 w10: J11.2 2181.89,3481.89 MC4.13
NetJ12_5: J12.5 J13.3 J13.4 | length 1559.6
  L1 w50: v1(5550,4200) 5550,4650 J13.3 J13.4
  L2 w50: J12.5 5325,3975 v1(5550,4200)
NetMC2_VALVE_1_13: MC2_VALVE_1.13 R3_VALVE_CONN2.1 | length 107.1
  L1 w30: MC2_VALVE_1.13 R3_VALVE_CONN2.1
NetMC2_VALVE_1_15: MC2_VALVE_1.15 R3_VALVE_CONN1.1 | length 107.1
  L1 w30: MC2_VALVE_1.15 R3_VALVE_CONN1.1
NetMC2_VALVE_2_13: MC2_VALVE_2.13 R3_VALVE_CONN4.1 | length 107.1
  L1 w30: MC2_VALVE_2.13 R3_VALVE_CONN4.1
NetMC2_VALVE_2_15: MC2_VALVE_2.15 R3_VALVE_CONN3.1 | length 107.1
  L1 w30: MC2_VALVE_2.15 R3_VALVE_CONN3.1
NetMC2_VALVE_3_13: MC2_VALVE_3.13 R3_VALVE_CONN6.1 | length 107.1
  L1 w30: MC2_VALVE_3.13 R3_VALVE_CONN6.1
NetMC2_VALVE_3_15: MC2_VALVE_3.15 R3_VALVE_CONN5.1 | length 107.1
  L1 w30: MC2_VALVE_3.15 R3_VALVE_CONN5.1
SCL_GPIO_EXP_A: J1_GPIO_EXP_A.13 J1_GPIO_EXP_A.22 J1_GPIO_EXP_B.13 J1_GPIO_EXP_B.22 J6.5 | length 6096.3
  L2 w10: J6.5 4850,4650 4900,4700 4900,5950 J1_GPIO_EXP_A.13 3600,7350 4950,7350 J1_GPIO_EXP_B.22
SDA_GPIO_EXP_A: J1_GPIO_EXP_A.12 J1_GPIO_EXP_A.23 J1_GPIO_EXP_B.12 J1_GPIO_EXP_B.23 J6.3 | length 6117
  L2 w10: J6.3 4150,4750 4200,4700 4800,4700 4850,4750 4850,5900 3475,7275 3475,7325 J1_GPIO_EXP_A.12 J1_GPIO_EXP_B.23
pads on no net: CN2_VALVE_CONN1.6 CN2_VALVE_CONN1.7 CN2_VALVE_CONN1.8 CN2_VALVE_CONN2.6 CN2_VALVE_CONN2.7 CN2_VALVE_CONN2.8 CN2_VALVE_CONN3.6 CN2_VALVE_CONN3.7 CN2_VALVE_CONN3.8 CN2_VALVE_CONN4.6 CN2_VALVE_CONN4.7 CN2_VALVE_CONN4.8 CN2_VALVE_CONN5.6 CN2_VALVE_CONN5.7 CN2_VALVE_CONN5.8 CN2_VALVE_CONN6.6 CN2_VALVE_CONN6.7 CN2_VALVE_CONN6.8 CN6_TEMP1.4 CN6_TEMP1.5 CN6_TEMP1.7 CN6_TEMP1.8 CN6_TEMP2.4 CN6_TEMP2.5 CN6_TEMP2.7 CN6_TEMP2.8 CN7_FLOW1.7 CN7_FLOW1.8 CN7_FLOW2.7 CN7_FLOW2.8 J1_GPIO_EXP_A.9 J1_GPIO_EXP_A.26 J1_GPIO_EXP_A.27 J1_GPIO_EXP_B.9 J1_GPIO_EXP_B.26 J1_GPIO_EXP_B.27 J2. J3.0 J4.4 J5. J6. J6.1 J6.17 J7.6 J7.7 J7.8 J7.9 J7.10 J7.12 J7.13 J7.14 J7.15 J8. J8.1 J8.2 J9.5 J9.MH1 J10.0 J11.0 J12. J12.1 J12.2 MC1.1 MC1.3 MC1.10 MC1.11 MC1.12 MC1.13 MC2_VALVE_1.1 MC2_VALVE_1.2 MC2_VALVE_1.11 MC2_VALVE_2.1 MC2_VALVE_2.2 MC2_VALVE_2.11 MC2_VALVE_3.1 MC2_VALVE_3.2 MC2_VALVE_3.11 MC3.1 MC3.2 MC3.11 MC4.1 MC4.2 MC4.11

## Polygon pours and split planes (outlines as drawn)
GND on L2 "GND_L02_P000" (solid, pour order 0): 1500,2600 6800,2600 6800,8900 1500,8900
24V on L1 "24V_L01_P001" (solid, pour order 1): 1500,8900 6800,8900 6800,2600 1500,2600

## Other copper
L1:
  region net SCL_GPIO_EXP_A: 4675,6100

## Silkscreen, mask and mechanical layers (free items; w line width, h text height)
Top Overlay:
  text "VALVE 1" at 1610,8010 h50
  text "VALVE 2" at 2460,8010 h50
  text "VALVE 3" at 3310,8010 h50
  text "VALVE 4" at 4160,8010 h50
  text "VALVE 5" at 5010,8010 h50
  text "VALVE 6" at 5860,8010 h50
  text "PUMP 1" at 4935,7035 h50
  text "PUMP 2" at 6110,7035 h50
  text "FRIDGE" at 1610,6710 h50
  text "FLOW 1/NEOPIXEL" at 2460,6710 h50
  text "FLOW 2" at 3310,6710 h50
  text "monk / v1.1" at 4145.11,6064.07 h200
  text "TEMP 1" at 5010,5335 h50
  text "TEMP 2" at 5960,5335 h50
  text "TEMP LEVEL" at 1610,5135 h50
  text "COOLER" at 2460,5135 h50
  text "ACC 1" at 1610,5010 h50
  text "5V" at 5690,4933.35 h50 r90
  text "ACC 2" at 1610,4410 h50
  text "GND" at 5690,4333.35 h50 r90
  text "ACC 3" at 1610,3810 h50
  text "HEATER" at 2065,2733.38 h50 r90
  text "POWER" at 6115,2733.37 h50 r90
Mechanical 2:
  the board outline again, w10

## Text inside footprints (layer, text, board x,y; h text height)
"CN1_Pump Connector A": Mechanical 1 "7" at 4979.92,6500.39 h39.37 r180; Mechanical 1 "8" at 5197.44,6299.61 h39.37 r180
CN2_VALVE_CONN2: Top Overlay "7" at 2429.92,8275.39 h39.37 r180
J1_GPIO_EXP_A: Bottom Overlay "INT" at 2325,7825 h50 r180
J1_GPIO_EXP_B: Bottom Overlay "INT" at 5075,7825 h50 r180
J2: Mechanical 1 "1" at 2095,3055 h60; Mechanical 1 "2" at 2095,3185 h60; Top Overlay "1" at 2095,3055 h60; Top Overlay "2" at 2095,3185 h60
J4: Top Overlay "3V3" at 5450,3550 h60 r180
J5: Mechanical 1 "1" at 5695,3050.08 h60; Mechanical 1 "2" at 5695,3180.08 h60; Top Overlay "1" at 5695,3050.08 h60; Top Overlay "2" at 5695,3180.08 h60
J7: Top Overlay "*" at 3550,5350 h50
MC1: Top Overlay "*" at 4025,7875 h50
MC2_VALVE_1: Top Overlay "*" at 2200,7225 h50 r90
MC2_VALVE_2: Top Overlay "*" at 3100,7225 h50 r90
MC2_VALVE_3: Top Overlay "*" at 5350,7225 h50 r90
MC3: Bottom Overlay "*" at 2800,4850 h50
MC4: Bottom Overlay "*" at 2800,3950 h50